# Altium PCB pcb_v1.PcbDoc (part 4 of 5)
Units mil, origin at the board's own origin, x right, y up, seen from the top; angles counter-clockwise.
Board outline 2527.56 x 5177.17 mil, 4 copper layers (L1 SIG, L2 SIG, L3 SIG, L4 SIG), stack 61.583 mil thick; 290 components, 207 nets, 1103 pads, 2427 vias.
Unrouted connection lines stored in the file: 255.
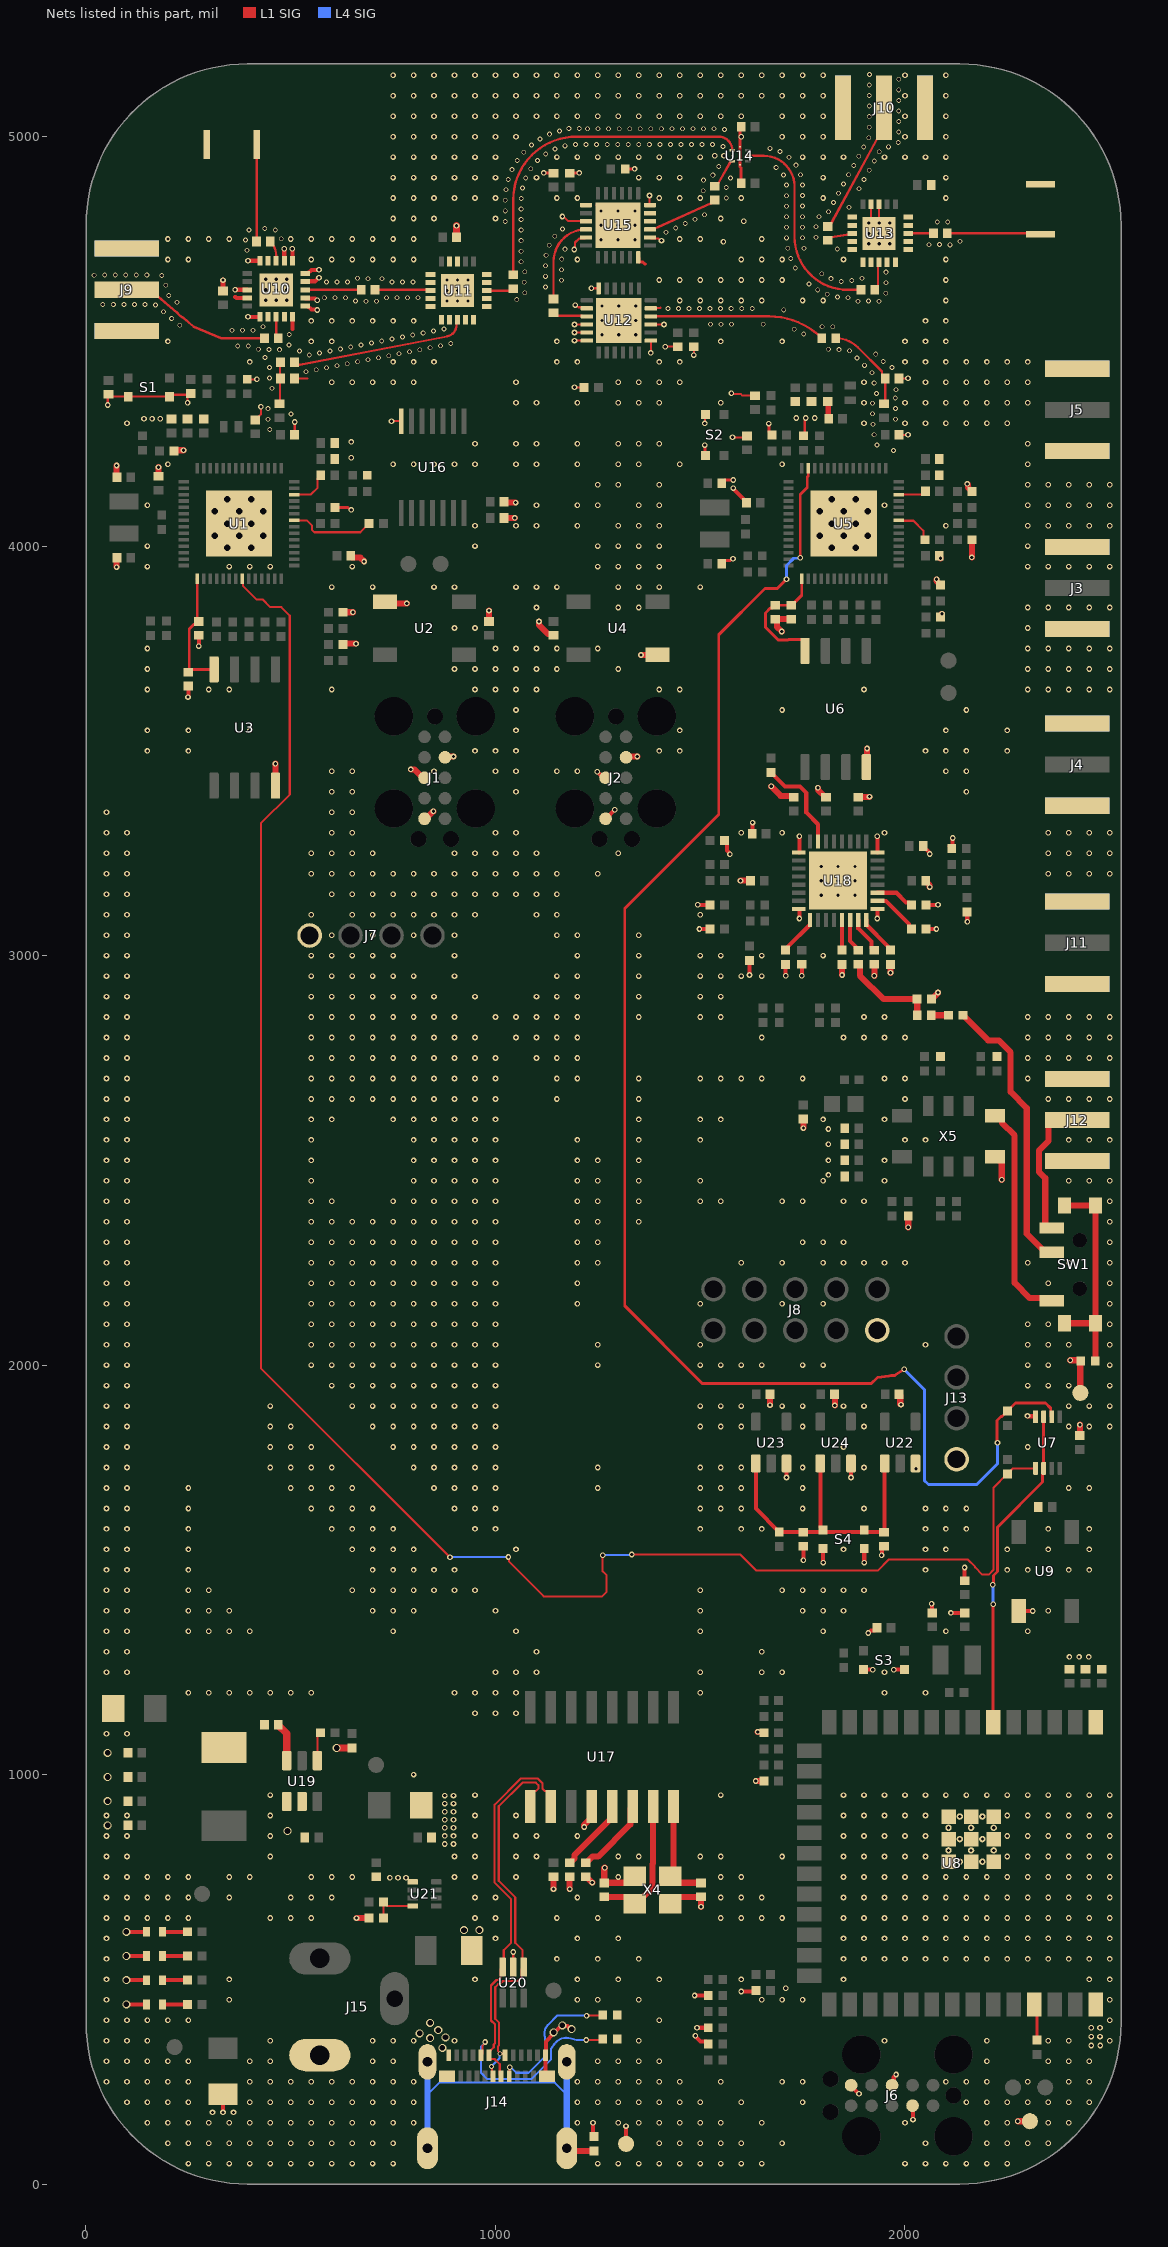
[diagram p6: the nets of this part, all layers, seen from the top]

## Via types
v1: diameter 13.78, hole 7.87, L1 SIG to L4 SIG, tented both sides, 2106 vias
v2: diameter 11.81, hole 7.87, L1 SIG to L4 SIG, 294 vias
v3: diameter 19.68, hole 13.78, L1 SIG to L4 SIG, tented both sides, 21 vias
v4: diameter 200, hole 122, L1 SIG to L4 SIG, 4 vias
v5: diameter 11.81, hole 7.87, L1 SIG to L4 SIG, tented both sides, 2 vias

## Nets (pads, with @x,y where several pads share a name; then routed paths per layer and width w, separated by ;. In a path a pad name is that pad's centre, name@x,y a point inside that pad or via, vN(x,y) a via of type N, cw(c..) or ccw(c..) an arc to the next point about the centre after c; other vN are vias at no path point) (continued)
GND: C1.1 C2.1 C3.1 C4.1 C5.1 C6.1 C7.1 C8.1 C9.1 C10.1 C11.1 C12.1 C13.1 C15.1 C16.1 C17.1 C18.1 C19.1 C20.1 C21.1 C22.1 C23.1 C24.1 C25.1 C26.1 C27.1 C28.1 C29.1 C31.1 C32.1 C33.1 C34.1 C35.1 C36.1 C37.1 C38.1 C39.1 C40.1 C41.1 C42.1 C43.1 C47.1 C48.1 C51.1 C53.1 C54.1 C56.1 C57.1 C61.1 C62.1 C63.1 C64.1 C66.1 C67.1 C68.2 C69.1 C70.2 C71.2 C72.1 C73.1 C74.1 C75.1 C76.1 C77.1 C78.1 C79.1 C80.1 C81.1 C82.1 C83.1 C84.1 C85.1 C88.2 C89.1 C90.1 C91.1 C93.1 C94.1 C95.1 C96.1 C97.1 C98.1 C99.1 C100.1 C101.1 C102.1 C103.1 D1.A D2.A J1.3 J1.5 J1.9 J2.3 J2.5 J2.9 J3.2 J3.3 J3.4 J3.5 J4.2 J4.3 J4.4 J4.5 J5.2 J5.3 J5.4 J5.5 J6.3 J6.5 J6.9 J7.1 J8.9 J9.2 J9.3 J9.4 J9.5 J10.2 J10.3 J10.4 J10.5 J11.2 J11.3 J11.4 J11.5 J12.2 J12.3 J12.4 J12.5 J13.4 J14.A1 J14.A12 J14.B1 J14.B12 J15.2 LED1.2 LED2.2 LED3.2 LED4.2 R13.1 R14.1 R19.1 R20.1 R21.1 R22.1 R35.1 R36.1 R41.1 R42.1 R43.1 R44.1 R53.1 R54.1 R60.1 R61.1 R62.1 R63.1 R64.1 R65.1 R69.1 R70.1 R71.1 R76.1 R78.2 R82.1 R83.1 R84.1 R85.1 R89.1 R90.1 R91.1 R93.1 R95.1 R96.1 R97.1 R100.1 R101.1 R103.2 R104.1 R106.2 S1.2 S1.4 S2.2 S2.4 S3.2 S3.4 S4.2 S4.4 TP7.1 TP8.1 TP9.1 U1.57 U2.3 U3.4 U4.3 U5.57 U6.4 U7.4 U8.1 U8.40 U8.41_1 U8.41_2 U8.41_3 U8.41_4 U8.41_5 U8.41_6 U8.41_7 U8.41_8 U8.41_9 U9.3 U10.1 U10.2 U10.4 U10.5 U10.6 U10.7 U10.9 U10.10 U10.11 U10.12 U10.14 U10.15 U10.18 U10.19 U10.21 U11.1 U11.2 U11.4 U11.5 U11.6 U11.7 U11.9 U11.10 U11.11 U11.12 U11.14 U11.15 U11.18 U11.19 U11.21 U12.1 U12.3 U12.5 U12.12 U12.14 U12.16 U12.17 U12.18 U12.25 U13.1 U13.2 U13.4 U13.5 U13.6 U13.7 U13.9 U13.10 U13.11 U13.12 U13.14 U13.15 U13.18 U13.19 U13.21 U14.2 U15.1 U15.3 U15.5 U15.12 U15.14 U15.16 U15.17 U15.18 U15.25 U16.7 U17.12 U18.1 U18.8 U18.17 U18.24 U18.33 U19.1 U20.2 U21.1 U22.3 U23.3 U24.3 X4.2 X4.4 X5.5 | length 5911.5
  L1 SIG w5: v1(53.15,4344.49) 53.15,4369.13 C13.1@54.89,4370.87 ; C13.1@61.97,4364.96 S1.4@203.51,4364.96 208.25,4369.7 C11.1@252.78,4369.7 ; v1(248.17,4350.39) 248.17,4365.1 C11.1@255.91,4372.83 ; R21.1@393.7,4407.48 v1(417.32,4407.48) ; C10.1@413.39,4308.27 414.57,4308.27 422.7,4316.4 422.7,4317.58 427.17,4322.05 v1(427.17,4340.55) ; C47.1@509.06,4271.65 509.84,4272.44 v1(509.84,4303.15) ; C48.1@509.06,4409.45 541.34,4409.45 ; v1(746.06,4305.12) U16.7@769.68,4305.12 ; v1(1163.39,4805.12) 1165.76,4805.12 1177.44,4793.44 1220.93,4793.44 U15.3@1221.06,4793.31 ; v1(1192.56,4724.26) 1194.24,4725.94 1194.24,4741.43 1204.13,4751.32 1218.44,4751.32 U15.5@1221.06,4753.94 ; v1(1192.91,4387.8) R64.1@1216.54,4387.8 ; v1(1192.91,4501.97) U12.18@1223.03,4501.97 ; v1(1192.91,4521.65) U12.17@1223.03,4521.65 ; v1(1192.91,4541.24) U12.16@1219.77,4541.34 ; v1(1194.88,4588.58) 1197.26,4588.58 1202.51,4583.33 1220.41,4583.33 U12.14@1223.03,4580.71 ; U12.16@1219.8,4541.34 U12.16@1223.03,4541.34 ; U15.25@1246.59,4832.68 1257.87,4821.4 v1(1257.87,4818.46) ; v1(1299.21,4783.46) U15.25@1309.06,4793.31 ; v1(1340.55,4818.46) U15.25@1346.02,4812.99 ; v1(1375.98,4856.3) 1375.98,4834.06 U15.18@1377.36,4832.68 ; U15.14@1377.36,4753.94 1379.98,4751.32 1397.88,4751.32 1403.14,4746.06 v1(1405.51,4746.06) ; U15.16@1377.36,4793.31 U15.16@1380.59,4793.31 ; U15.17@1377.36,4812.99 U15.17@1387.2,4812.99 ; v1(1379.33,4471.85) U12.1@1379.33,4501.97 ; U12.3@1379.33,4541.34 1391.79,4542.76 1391.79,4541.21 1411.27,4541.21 v1(1411.41,4541.07) ; U12.5@1379.33,4580.71 1391.79,4580.8 1391.79,4581.51 1402.51,4581.51 1403.31,4582.32 ; v1(1414.76,4487.01) C53.1@1444.88,4487.01 ; v1(1484.25,4466.54) C54.1@1484.25,4487.01 ; v1@1511.81,4299.21 1511.64,4299.38 1511.64,4320.89 S2.2@1512.6,4321.85 ; v1(1576.08,4373.46) 1577.76,4371.78 1598.9,4371.78 1602.97,4367.72 1633.46,4367.72 C28.1@1633.86,4367.32 ; v1(1578.91,4265.77) 1611.04,4265.77 C29.1@1614.17,4268.9 ; v1@1667.32,4299.21 v1@1667.87,4298.67 ; R43.1@1667.87,4278.98 R43.1@1675.2,4271.65 ; R41.1@1751.97,4269.69 1755.3,4273.01 1755.3,4308.04 1757.87,4310.62 v1(1757.87,4312.99) ; v1(1911.42,4789.38) 1917.32,4795.28 U13.19@1917.32,4834.66 ; v1(1937.01,4789.38) U13.18@1937.01,4834.66 ; C56.1@1985.43,4271.65 1985.6,4271.82 2007.7,4271.82 v1@2007.87,4271.65 ; C57.1@1985.43,4409.45 1985.6,4409.62 2007.7,4409.62 v1@2007.87,4409.45
  L1 SIG w7: U20.2@1043.31,529.92 v1(1043.31,566.93) ; v1(1118.11,4911.42) 1140.94,4911.42 C63.1@1141.73,4910.63 ; C64.1@1181.1,4910.63 1181.89,4911.42 v1(1204.72,4911.42) ; v1(1234.25,4629.92) 1251.38,4629.92 U12.12@1251.97,4629.33 ; R65.1@1316.93,4921.26 v1(1339.76,4921.26) ; U15.12@1348.43,4705.31 1350.04,4703.7 1350.04,4693.85 1359.72,4693.85 1364.31,4689.27 1366.14,4689.27 ; v1@1511.81,4246.06 1511.81,4222.24 S2.4@1512.6,4221.46 ; C32.1@1552.36,3956.69 1552.36,3957.87 1559.49,3965 1574.18,3965 1578.27,3969.1 v1(1580.11,3969.1) ; C31.1@1552.36,4153.54 1552.36,4154.29 1559.49,4161.42 v1(1580.71,4161.42) ; C62.1@1600,4886.42 1600,4922.73 1597.24,4925.48 U14.2@1597.24,4931.5 U14.2@1597.24,4975.2 1597.24,5021.46 C61.1@1600,5024.21 ; R43.1@1667.87,4278.98 v1@1667.87,4298.67
  L1 SIG w7.5: R22.1@608.27,4094.49 639.88,4094.49 645.94,4088.43 v1(647.64,4088.43)
  L1 SIG w10: v3(98.43,438.98) LED1.2@147.82,438.98 ; v3(98.43,498.03) LED2.2@147.82,498.03 ; v3(98.43,557.09) LED3.2@147.82,557.09 ; v3(98.43,616.14) LED4.2@147.82,616.14 ; v1@250,3631.89 C6.1@250,3658.27 ; v1(275.59,3755.91) C5.1@275.59,3782.28 ; v1(334.65,175.2) D2.A@334.65,219.29 ; 364.17,4608.5 365.2,4608.5 367.4,4606.3 U10.19@393.7,4606.3 ; v1(364.17,4625.99) U10.18@393.7,4625.99 ; v1(395.66,4559.99) U10.1@425.19,4559.99 ; v1(395.66,4696.86) U10.15@425.19,4696.86 ; U10.21@444.88,4606.3 v1(464.57,4625.99) ; U10.21@444.88,4645.68 v1(464.57,4625.99) ; U10.21@484.26,4606.3 v1(464.57,4625.99) ; U10.12@484.26,4696.86 v1(484.26,4726.38) ; 503.95,4530.46 U10.5@503.95,4559.99 ; U10.11@503.95,4696.86 v1(503.95,4726.38) ; U10.6@535.43,4586.61 541.14,4586.61 550.26,4577.49 564.24,4577.49 v1(564.96,4576.77) ; U10.7@535.43,4606.3 536.54,4605.2 559.13,4605.2 563.94,4600.39 v1(564.96,4600.39) ; U10.9@535.43,4645.68 536.54,4646.78 559.14,4646.78 567.87,4655.51 v1(568.9,4655.51) ; U10.10@535.43,4665.37 541.14,4665.37 550.25,4674.47 568.17,4674.47 v1(568.9,4675.2) ; J14.B1@1125.98,263.58 1122.05,267.52 J14.A12@1122.05,314.76 1122.95,315.67 1122.95,348.68 1142.17,367.9 v3(1142.17,370.52) 1144.14,370.52 1161.41,387.8 v3(1163.39,387.8) 1165.24,385.94 1175.73,385.94 1181.27,380.4 1184.12,380.4 v3(1185.97,378.55) ; v1(1238.19,149.61) 1238.19,118.11 R104.1@1240.16,116.14 ; v1(1248.65,3448.82) 1263.21,3434.25 J2.3@1268.9,3434.25 ; J2.5@1268.9,3334.25 1269.29,3334.25 v1(1291.34,3356.3) ; TP7.1@1318.9,98.43 v1(1318.9,141.73) ; v1(1486.22,460.63) R60.1@1519.69,460.63 ; v1(1488.19,362.5) 1488.91,361.78 1488.91,360 1500.57,348.35 1513.86,348.35 R54.1@1519.69,342.52 ; v1(1492.13,381.89) R53.1@1519.69,381.89 ; v1(1494.09,3124.02) R83.1@1523.62,3124.02 ; v1(1498.03,3064.96) R84.1@1523.62,3064.96 ; R82.1@1559.06,3281.5 1564.88,3275.67 1564.88,3256.45 1572.51,3248.82 v1(1572.51,3247.8) ; v1(1580.71,4141.73) 1581.43,4141.01 1581.43,4139.04 1612.99,4107.48 C18.1@1612.99,4106.3 ; v1(1600.39,470.47) 1633.86,470.47 R63.1@1635.83,472.44 ; v1@1620.08,2952.76 R85.1@1620.08,2988.19 ; C77.1@1626.77,3297.24 1627.95,3298.43 v1(1627.95,3324.8) ; v1(1708.66,2950.79) R71.1@1708.66,2978.35 ; v1(1710.63,1725.59) U23.3@1710.63,1759.84 ; U18.8@1740.75,3114.17 1742.01,3114.17 1742.13,3114.06 v1(1742.13,3090.55) ; U18.1@1740.75,3251.97 1742.01,3251.97 1742.13,3252.09 v1(1742.13,3291.57) ; v1(1748.03,2950.79) C73.1@1748.03,2979.13 ; v1(1751.97,1523.62) C102.1@1751.97,1557.87 ; v1(1800.2,1517.72) S4.2@1800.2,1551.97 ; v1(1868.11,1725.59) U24.3@1868.11,1759.84 ; J6.5@1868.5,241.54 1868.5,239.76 v1(1887.8,220.47) ; S3.2@1898.62,1256.69 1899.02,1256.3 1920.87,1256.3 v1(1921.26,1255.91) ; v1(1900.59,1517.72) S4.4@1900.59,1551.97 ; v1(1910.16,1345.74) 1911.19,1345.74 1916.9,1351.46 1926.26,1351.46 1931.89,1357.09 C41.1@1931.89,1358.27 ; v1(1932.48,3090.67) U18.17@1932.48,3114.17 ; U18.24@1932.48,3251.97 v1(1932.48,3291.57) ; v1(1942.91,1535.43) 1943.64,1536.16 1943.64,1552.69 C103.1@1948.82,1557.87 ; J6.3@1968.5,241.54 1972.52,245.55 1972.52,260.87 1978.35,266.69 v1(1978.35,267.72) ; v1(1972.44,1255.91) 1972.83,1256.3 1998.62,1256.3 S3.4@1999.02,1256.69 ; J6.9@2018.5,191.54 2019.68,190.35 v1(2019.68,157.48) ; U22.3@2025.59,1759.84 2026.84,1758.6 v1(2026.84,1747.2) ; C84.1@2044.49,3267.72 2044.49,3266.54 2059.59,3251.43 2059.59,3248.75 v1(2060.32,3248.03) ; R93.1@2051.18,3064.96 v1(2076.77,3064.96) ; R91.1@2051.18,3124.02 v1(2080.71,3124.02) ; v1(2064.96,1417.32) 2065.68,1416.6 2065.68,1395.34 C39.1@2066.93,1394.09 ; v1(2112.2,1394.88) C38.1@2146.46,1394.88 ; R89.1@2114.17,3261.81 2108.84,3267.14 2115.62,3267.14 2116.12,3267.64 2116.12,3286.68 v1(2116.85,3287.4) ; C40.1@2145.67,1471.65 v1(2145.67,1505.91) ; R90.1@2151.57,3106.3 2151.97,3105.9 2151.97,3083.08 v1(2152.37,3082.68) ; U9.3@2277.56,1399.61 v1(2311.81,1399.61) ; v1(2299.21,1875.98) 2299.94,1875.26 2317.99,1875.26 2318.9,1874.36 U7.4@2318.9,1874.02
  L1 SIG w13: C42.1@334.65,4623.23 v1(334.65,4649.61) ; C25.1@1811.02,4353.15 1812.4,4351.77 1812.4,4312.4 C26.1@1813.78,4311.02
  L1 SIG w15: v1(74.8,3948.82) 74.8,3970.67 C16.1@75.59,3971.46 ; v1(74.8,4196.85) 74.8,4169.09 C15.1@75.59,4168.31 ; C2.1@177.17,4170.47 v1(177.17,4192.91) ; R19.1@214.57,4232.28 216.54,4234.25 v1(238.19,4234.25) ; v1(462.6,3468.5) 462.6,3415.35 U3.4@462.8,3415.16 ; R13.1@627.95,3759.84 629.92,3761.81 v1(659.45,3761.81) ; R14.1@627.95,3838.58 v1(651.71,3838.58) ; C1.1@646.85,3976.38 646.85,3975.2 649.98,3972.07 669.67,3972.07 v1(679.13,3962.6) ; v1(660.63,649.61) R106.2@690.94,649.61 ; U2.3@730.32,3864.17 734.25,3860.24 v1(783.46,3860.24) ; v1(793.31,3454.72) 801.97,3454.72 822.44,3434.25 J1.3@826.77,3434.25 ; J1.5@826.77,3334.25 830.32,3334.25 v1(848.43,3352.36) ; J1.9@876.77,3484.25 878.74,3486.22 v1(897.38,3486.22) ; C12.1@984.25,3816.14 v1(984.25,3842.52) ; C67.1@1020.87,4068.9 v1(1047.24,4068.9) ; C66.1@1020.87,4108.27 1022.83,4106.3 v1(1049.21,4106.3) ; v1(1106.3,3815.94) 1106.3,3807.39 1128.28,3785.41 1138.6,3785.41 C27.1@1141.73,3782.28 ; v1(1141.73,720.47) C72.1@1141.73,750.79 ; v1(1181.1,720.47) C71.2@1181.1,750.79 ; v1(1216.54,872.05) 1216.54,877 1234.84,895.31 U17.12@1234.84,922.31 ; C70.2@1220.47,750.79 1221.65,750.79 v1(1236.22,736.22) ; v1(1266.73,772.64) 1265.75,771.65 C69.1@1265.75,735.43 1266.16,735.85 1324.43,735.85 X4.2@1340.55,751.97 ; J2.9@1318.9,3484.25 1320.87,3486.22 v1(1346.46,3486.22) ; v1(1355.31,3734.25) U4.3@1395.67,3734.25 ; X4.4@1427.17,685.04 1431.1,685.04 1447.62,701.56 1501.95,701.56 v1(1501.97,677.17) ; v1(1598.43,3183.07) C76.1@1622.83,3183.07 ; v1(1635.83,984.25) R61.1@1655.51,984.25 ; v1(1640.46,1104.33) 1653.54,1104.33 R62.1@1655.51,1102.36 ; v1(1670.47,1902.36) C100.1@1670.47,1929.13 ; v1(1673.23,3413.39) 1696.48,3390.14 1725.22,3390.14 C75.1@1728.35,3387.01 ; v1(1698.96,3791.59) 1698.46,3791.59 1687.38,3802.67 1687.38,3818.52 1684.25,3821.65 C21.1@1722.44,3821.65 ; v1(1751.97,2578.74) C78.1@1751.97,2601.18 ; v1@1787.4,3409.45 1787.4,3405.51 1805.91,3387.01 C85.1@1807.09,3387.01 ; C101.1@1827.95,1929.13 1828.74,1928.35 v1(1828.74,1901.57) ; v1(1846.46,2952.76) R70.1@1846.46,2978.35 ; C74.1@1885.83,3387.01 1886.61,3387.8 v1@1913.39,3387.8 ; U6.4@1905.71,3460.43 1907.48,3462.2 v1(1907.48,3505.91) ; v1(1925.2,2950.79) C88.2@1925.2,2979.13 ; v1(1964.57,2958.07) R69.1@1964.57,2978.35 ; C99.1@1985.43,1929.13 1988.56,1926 1988.56,1905.14 v1(1990.16,1903.54) ; v1(2007.87,2336.61) R97.1@2007.87,2364.17 ; C83.1@2050.39,3183.07 2050.39,3181.89 2060.32,3171.97 v1(2060.32,3167.32) ; R76.1@2064.96,2893.7 v1@2080.71,2909.45 ; v1(2077.17,3918.9) 2077.38,3918.68 2077.38,3914.74 R36.1@2086.61,3905.51 ; C17.1@2083.86,3976.38 2083.86,3975.2 2086.87,3972.18 v1(2086.87,3970.57) ; R35.1@2086.61,3826.77 2089.94,3830.1 2089.94,3834.33 v1(2090.25,3834.65) ; v1(2152.27,4152.06) 2154.15,4150.18 2154.15,4143.09 R42.1@2163.39,4133.86 ; v1(2163.27,3972.44) 2163.27,4015.63 R44.1@2163.39,4015.75 ; X5.5@2219.49,2509.06 2228.72,2499.82 2236.22,2499.82 v1(2236.22,2452.76) ; v1(2275.59,153.54) TP8.1@2305.12,153.54 ; v1(2403.54,2011.81) 2427.17,2011.81 R78.2@2429.13,2009.84 2428.15,2008.86 TP9.1@2428.15,1932.09 TP9.1@2427.17,1931.1 ; C36.1@2427.17,1827.95 v1(2427.17,1854.33)
  L1 SIG w18: v3(612.2,1064.96) R103.2@649.61,1064.96 ; C43.1@904.72,4753.94 v1(904.72,4782.62)
  other v1: 250,50 300,50 350,50 400,50 450,50 500,50 550,50 600,50 650,50 700,50 750,50 1250,50 1300,50 1350,50 1400,50 1450,50 1500,50 1550,50 1600,50 1650,50 2000,50 2050,50 2100,50 2150,50 2200,50 2250,50 200,100 250,100 300,100 350,100 400,100 450,100 500,100 550,100 600,100 650,100 700,100 750,100 1400,100 1450,100 1500,100 1550,100 1600,100 1700,100 2050,100 2200,100 2250,100 2300,100 2350,100 150,150 200,150 250,150 300,150 350,150 400,150 450,150 500,150 550,150 600,150 650,150 700,150 750,150 800,150 1200,150 1300,150 1350,150 1400,150 1450,150 1500,150 1550,150 1650,150 2000,150 2200,150 2250,150 2350,150 2400,150 309.06,175.2 360.24,175.2 100,200 150,200 200,200 250,200 400,200 450,200 500,200 550,200 600,200 650,200 700,200 750,200 800,200 1200,200 1250,200 1300,200 1350,200 1400,200 1450,200 1500,200 1600,200 1750,200 2150,200 2200,200 2250,200 2300,200 2350,200 2400,200 2450,200 50,250 100,250 150,250 200,250 250,250 400,250 450,250 500,250 550,250 600,250 650,250 700,250 750,250 800,250 1200,250 1250,250 1300,250 1350,250 1400,250 1450,250 1550,250 1700,250 1750,250 2100,250 2150,250 2200,250 2300,250 2400,250 2450,250 50,300 100,300 150,300 200,300 250,300 400,300 450,300 700,300 750,300 1250,300 1300,300 1350,300 1400,300 2200,300 2350,300 2400,300 2450,300 2454.72,338.58 2476.65,338.67 50,350 100,350 150,350 450,350 700,350 750,350 800,350 900,350 1350,350 1950,350 2200,350 2350,350 2400,350 2500,350 2454.72,360.24 2476.38,360.24 2454.72,381.89 2476.38,381.89 50,400 100,400 150,400 200,400 250,400 1400,400 2500,400 50,450 350,450 1200,450 1250,450 1350,450 1650,450 1700,450 1750,450 2500,450 1708.66,478.35 50,500 350,500 950,500 1200,500 1300,500 1400,500 1600,500 1850,500 2450,500 2500,500 50,550 1150,550 1250,550 1350,550 1850,550 1900,550 1950,550 2000,550 2050,550 2100,550 2150,550 2200,550 2250,550 2300,550 2350,550 2400,550 2450,550 2500,550 50,600 1000,600 1200,600 1300,600 1850,600 1900,600 1950,600 2000,600 2050,600 2100,600 2150,600 2200,600 2250,600 2300,600 2350,600 2400,600 2450,600 2500,600 50,650 100,650 150,650 200,650 250,650 450,650 500,650 550,650 950,650 1000,650 1150,650 1250,650 1550,650 1600,650 1650,650 1700,650 1850,650 1900,650 1950,650 2000,650 2050,650 2100,650 2150,650 2200,650 2250,650 2300,650 2350,650 2400,650 2450,650 2500,650 50,700 100,700 150,700 200,700 250,700 350,700 500,700 550,700 600,700 950,700 1000,700 1200,700 1550,700 1600,700 1650,700 1850,700 1900,700 1950,700 2000,700 2050,700 2100,700 2150,700 2200,700 2250,700 2300,700 2350,700 2400,700 2450,700 2500,700 742.13,748.03 761.81,748.03 781.5,748.03 50,750 100,750 150,750 200,750 250,750 350,750 400,750 550,750 600,750 650,750 900,750 950,750 1050,750 1300,750 1550,750 1600,750 1850,750 1900,750 1950,750 2000,750 2050,750 2100,750 2150,750 2200,750 2250,750 2300,750 2350,750 2400,750 2450,750 2500,750 50,800 100,800 450,800 900,800 950,800 1050,800 1100,800 1300,800 1350,800 1500,800 1550,800 1700,800 1850,800 1900,800 1950,800 2000,800 2050,800 2250,800 2300,800 2350,800 2400,800 2450,800 2500,800 875.98,830.71 897.64,830.71 50,850 100,850 450,850 875.98,850.39 897.64,850.39 950,850 1050,850 1100,850 1200,850 1850,850 1900,850 1950,850 2000,850 2050,850 2250,850 2300,850 2350,850 2400,850 2450,850 2500,850 875.98,870.08 897.64,870.08 875.98,889.76 897.64,889.76 50,900 100,900 450,900 950,900 1050,900 1850,900 1900,900 1950,900 2000,900 2050,900 2250,900 2300,900 2350,900 2400,900 2450,900 2500,900 875.98,909.45 897.64,909.45 875.98,929.13 897.64,929.13 875.98,948.82 897.64,948.82 450,950 950,950 1550,950 1850,950 1900,950 1950,950 2000,950 2050,950 2100,950 2150,950 2200,950 2250,950 2300,950 2350,950 2400,950 2450,950 2500,950 800,1000 50,1100 100,1100 950,1150 1000,1150 1050,1150 250,1200 300,1200 350,1200 400,1200 450,1200 500,1200 550,1200 900,1200 950,1200 1000,1200 1050,1200 1500,1200 1950,1200 2050,1200 50,1250 100,1250 1000,1250 1050,1250 1100,1250 1500,1250 1650,1250 1700,1250 1950,1250 2401.57,1287.4 2425.2,1287.4 2448.82,1287.4 50,1300 100,1300 1100,1300 1650,1300 50,1350 100,1350 250,1350 300,1350 350,1350 400,1350 750,1350 1050,1350 1500,1350 1800,1350 2100,1350 2300,1350 50,1400 100,1400 250,1400 300,1400 350,1400 700,1400 750,1400 800,1400 1000,1400 1500,1400 1750,1400 1800,1400 1850,1400 2350,1400 50,1450 100,1450 250,1450 300,1450 650,1450 700,1450 750,1450 800,1450 850,1450 900,1450 950,1450 1500,1450 1700,1450 1750,1450 1800,1450 1850,1450 1900,1450 50,1500 100,1500 250,1500 700,1500 750,1500 800,1500 850,1500 900,1500 2050,1500 2250,1500 2300,1500 2350,1500 2400,1500 2450,1500 50,1550 100,1550 250,1550 650,1550 700,1550 750,1550 800,1550 1050,1550 1850,1550 2050,1550 2100,1550 2250,1550 2350,1550 2450,1550 50,1600 100,1600 250,1600 600,1600 650,1600 700,1600 750,1600 950,1600 1000,1600 1500,1600 1600,1600 1650,1600 2050,1600 2100,1600 2150,1600 2350,1600 2450,1600 50,1650 100,1650 250,1650 550,1650 600,1650 650,1650 700,1650 900,1650 950,1650 1000,1650 1500,1650 1550,1650 1600,1650 1750,1650 1900,1650 2050,1650 2100,1650 2150,1650 50,1700 100,1700 250,1700 500,1700 550,1700 600,1700 650,1700 850,1700 900,1700 950,1700 1000,1700 1250,1700 1500,1700 1550,1700 1600,1700 1750,1700 2400,1700 2450,1700 50,1750 100,1750 450,1750 500,1750 550,1750 600,1750 800,1750 850,1750 900,1750 950,1750 1000,1750 1250,1750 1500,1750 1550,1750 1600,1750 1750,1750 1900,1750 50,1800 100,1800 450,1800 500,1800 550,1800 750,1800 800,1800 850,1800 900,1800 950,1800 1000,1800 1850,1800 2300,1800 50,1850 100,1850 450,1850 500,1850 700,1850 750,1850 800,1850 850,1850 900,1850 950,1850 1000,1850 1500,1850 1550,1850 1600,1850 1750,1850 1900,1850 2400,1850 2450,1850 2500,1850 50,1900 100,1900 450,1900 650,1900 700,1900 750,1900 800,1900 850,1900 900,1900 950,1900 1000,1900 1500,1900 1550,1900 1600,1900 1700,1900 1750,1900 1850,1900 1900,1900 2400,1900 2450,1900 2500,1900 50,1950 100,1950 600,1950 650,1950 700,1950 750,1950 800,1950 850,1950 900,1950 950,1950 1000,1950 2300,1950 2350,1950 2400,1950 2500,1950 50,2000 100,2000 550,2000 600,2000 650,2000 700,2000 750,2000 800,2000 850,2000 900,2000 950,2000 1000,2000 1250,2000 1500,2000 1550,2000 1600,2000 1650,2000 1750,2000 1800,2000 2300,2000 2350,2000 2500,2000 50,2050 100,2050 550,2050 600,2050 650,2050 700,2050 750,2050 800,2050 850,2050 900,2050 950,2050 1000,2050 1250,2050 1500,2050 2050,2050 2300,2050 2350,2050 2400,2050 2500,2050 50,2100 100,2100 550,2100 600,2100 650,2100 700,2100 750,2100 800,2100 850,2100 900,2100 950,2100 1000,2100 2300,2100 2350,2100 2500,2100 50,2150 100,2150 550,2150 600,2150 650,2150 700,2150 750,2150 800,2150 850,2150 900,2150 950,2150 1000,2150 1200,2150 1500,2150 1700,2150 1800,2150 2500,2150 50,2200 100,2200 550,2200 600,2200 650,2200 700,2200 750,2200 800,2200 850,2200 900,2200 950,2200 1000,2200 1200,2200 2350,2200 2500,2200 50,2250 100,2250 550,2250 600,2250 650,2250 700,2250 750,2250 800,2250 850,2250 900,2250 950,2250 1000,2250 1200,2250 1250,2250 1600,2250 1700,2250 1800,2250 1850,2250 1900,2250 1950,2250 2000,2250 2300,2250 2400,2250 2500,2250 50,2300 100,2300 550,2300 600,2300 650,2300 700,2300 750,2300 800,2300 850,2300 900,2300 950,2300 1000,2300 1200,2300 1250,2300 1750,2300 1800,2300 1850,2300 2500,2300 50,2350 100,2350 550,2350 600,2350 650,2350 700,2350 750,2350 800,2350 850,2350 900,2350 950,2350 1000,2350 1200,2350 1250,2350 1350,2350 2500,2350 50,2400 100,2400 550,2400 600,2400 750,2400 800,2400 850,2400 900,2400 950,2400 1000,2400 1200,2400 1250,2400 1350,2400 1500,2400 1550,2400 1700,2400 1750,2400 1850,2400 1900,2400 2500,2400 50,2450 100,2450 550,2450 800,2450 850,2450 900,2450 950,2450 1000,2450 1200,2450 1250,2450 1350,2450 1500,2450 1800,2450 1950,2450 2400,2450 2450,2450 2500,2450 1812.99,2464.57 50,2500 100,2500 550,2500 800,2500 850,2500 900,2500 950,2500 1000,2500 1200,2500 1250,2500 1350,2500 1812.99,2500 1950,2500 1812.99,2539.37 50,2550 100,2550 550,2550 800,2550 850,2550 900,2550 950,2550 1000,2550 1200,2550 1350,2550 1500,2550 2000,2550 2050,2550 2400,2550 2450,2550 2500,2550 1812.99,2576.77 50,2600 100,2600 550,2600 600,2600 750,2600 800,2600 850,2600 900,2600 950,2600 1000,2600 1350,2600 1500,2600 1550,2600 1800,2600 1950,2600 50,2650 100,2650 550,2650 600,2650 650,2650 700,2650 750,2650 800,2650 850,2650 900,2650 950,2650 1000,2650 1150,2650 1350,2650 2000,2650 2350,2650 2400,2650 2450,2650 2500,2650 50,2700 100,2700 550,2700 600,2700 650,2700 700,2700 750,2700 800,2700 850,2700 900,2700 950,2700 1000,2700 1150,2700 1200,2700 1350,2700 1500,2700 1550,2700 1600,2700 1650,2700 1750,2700 1950,2700 2000,2700 2300,2700 50,2750 100,2750 550,2750 600,2750 650,2750 700,2750 750,2750 800,2750 850,2750 900,2750 950,2750 1000,2750 1100,2750 1150,2750 1200,2750 2300,2750 2350,2750 2400,2750 2450,2750 2500,2750 50,2800 100,2800 550,2800 600,2800 650,2800 700,2800 750,2800 800,2800 850,2800 900,2800 950,2800 1050,2800 1100,2800 1150,2800 1200,2800 1650,2800 1850,2800 1900,2800 1950,2800 2000,2800 2300,2800 2350,2800 2400,2800 2450,2800 2500,2800 50,2850 100,2850 550,2850 600,2850 650,2850 700,2850 750,2850 800,2850 850,2850 900,2850 1000,2850 1050,2850 1100,2850 1150,2850 1200,2850 1350,2850 1500,2850 1550,2850 1900,2850 1950,2850 2300,2850 2350,2850 2400,2850 2450,2850 2500,2850 50,2900 100,2900 550,2900 600,2900 650,2900 700,2900 750,2900 800,2900 850,2900 950,2900 1100,2900 1150,2900 1200,2900 1350,2900 1500,2900 1550,2900 2080.71,2909.96 50,2950 100,2950 550,2950 600,2950 650,2950 700,2950 750,2950 800,2950 900,2950 1150,2950 1200,2950 1350,2950 1500,2950 1550,2950 1600,2950 1650,2950 1620.4,2952.86 50,3000 100,3000 550,3000 600,3000 650,3000 700,3000 750,3000 900,3000 1200,3000 1350,3000 1500,3000 1550,3000 1650,3000 1800,3000 50,3050 100,3050 600,3050 700,3050 800,3050 900,3050 1150,3050 1200,3050 1350,3050 50,3100 100,3100 550,3100 650,3100 700,3100 750,3100 800,3100 850,3100 900,3100 950,3100 1100,3100 1150,3100 1500,3100 1795.28,3147.64 1836.61,3147.64 1877.95,3147.64 50,3150 100,3150 600,3150 650,3150 700,3150 750,3150 800,3150 850,3150 900,3150 950,3150 1000,3150 1050,3150 1100,3150 1150,3150 1795.28,3182.64 1836.61,3182.64 1877.95,3182.64 50,3200 100,3200 550,3200 600,3200 650,3200 700,3200 750,3200 800,3200 850,3200 900,3200 950,3200 1000,3200 1050,3200 1100,3200 1150,3200 1250,3200 2350,3200 2400,3200 2450,3200 2500,3200 1795.28,3217.64 1836.61,3217.64 1877.95,3217.64 50,3250 100,3250 550,3250 600,3250 650,3250 700,3250 900,3250 950,3250 1000,3250 1050,3250 1100,3250 1300,3250 2350,3250 2400,3250 2450,3250 2500,3250 50,3300 100,3300 600,3300 650,3300 1000,3300 1050,3300 1600,3300 1700,3300 1950,3300 2350,3300 2400,3300 2450,3300 2500,3300 50,3350 600,3350 650,3350 1913.39,3388.31 600,3400 650,3400 1050,3400 2150,3400 1787.4,3409.96 600,3450 650,3450 850,3450 1000,3450 1050,3450 1150,3450 1200,3450 2100,3450 2150,3450 150,3500 250,3500 950,3500 1000,3500 1050,3500 1400,3500 1450,3500 2050,3500 2100,3500 2150,3500 2250,3500 150,3550 250,3550 400,3550 1050,3550 1450,3550 2100,3550 2250,3550 1050,3600 1700,3600 2150,3600 249.22,3631.41 150,3650 300,3650 350,3650 600,3650 950,3650 1000,3650 1050,3650 1100,3650 1400,3650 1450,3650 1900,3650 2300,3650 2350,3650 2400,3650 2450,3650 2500,3650 150,3700 900,3700 950,3700 1000,3700 1050,3700 1100,3700 1150,3700 1300,3700 2300,3700 2350,3700 2400,3700 2450,3700 2500,3700 150,3750 1000,3750 1050,3750 1100,3750 1150,3750 1250,3750 2300,3750 2350,3750 2400,3750 2450,3750 2500,3750 900,3800 950,3800 2300,3800 1100,3850 1300,3850 1350,3850 2300,3850 2350,3850 2400,3850 2450,3850 2500,3850 600,3900 700,3900 850,3900 900,3900 1050,3900 1100,3900 1150,3900 1300,3900 1350,3900 1400,3900 1500,3900 150,3950 350,3950 400,3950 450,3950 650,3950 1250,3950 1300,3950 1350,3950 1400,3950 2300,3950 2350,3950 2400,3950 2450,3950 2500,3950 150,4000 950,4000 1250,4000 1300,4000 1350,4000 1400,4000 2300,4000 950,4050 1050,4050 1100,4050 1200,4050 1300,4050 1350,4050 1400,4050 2100,4050 2300,4050 2350,4050 2400,4050 2450,4050 2500,4050 150,4100 1100,4100 1200,4100 1250,4100 1350,4100 1400,4100 1950,4100 2300,4100 2350,4100 2400,4100 2450,4100 2500,4100 1250,4150 1300,4150 1400,4150 2300,4150 2350,4150 2400,4150 2450,4150 2500,4150 200,4200 750,4200 800,4200 850,4200 900,4200 950,4200 1050,4200 1100,4200 1200,4200 1300,4200 1350,4200 1450,4200 1700,4200 2300,4200 647.64,4215.82 1511.21,4246.66 950,4250 1050,4250 1100,4250 1200,4250 1300,4250 1350,4250 1400,4250 2300,4250 647.64,4254.6 2007.27,4272.25 1667.27,4299.27 100,4300 1511.21,4299.81 1900,4300 2000,4300 2050,4300 2100,4300 2150,4300 2200,4300 2250,4300 141.73,4311.02 161.42,4311.02 181.1,4311.02 1734.25,4312.99 1779.53,4312.99 1050,4350 1100,4350 1200,4350 1300,4350 1350,4350 1400,4350 1550,4350 1900,4350 2000,4350 2050,4350 2100,4350 2150,4350 2200,4350 2250,4350 2300,4350 600,4400 650,4400 700,4400 750,4400 800,4400 1050,4400 1300,4400 1350,4400 1400,4400 1450,4400 1900,4400 2050,4400 2100,4400 2150,4400 2200,4400 2250,4400 2300,4400 2007.27,4410.05 400,4450 750,4450 800,4450 850,4450 1150,4450 1200,4450 1400,4450 1450,4450 2000,4450 2050,4450 2100,4450 2150,4450 2200,4450 2250,4450 2300,4450 200,4500 550,4500 600,4500 1150,4500 1550,4500 1700,4500 2000,4500 2050,4500 2100,4500 1259.84,4516.18 1301.18,4516.18 1342.52,4516.18 550,4550 600,4550 650,4550 700,4550 750,4550 800,4550 2050,4550 2100,4550 1259.84,4551.18 1301.18,4551.18 1342.52,4551.18 1259.84,4586.18 1301.18,4586.18 1342.52,4586.18 881.89,4598.42 907.49,4598.42 933.08,4598.42 438.98,4600.39 464.57,4600.39 490.16,4600.39 1450,4600 1500,4600 1550,4600 1600,4600 1650,4600 1750,4600 1800,4600 2100,4600 881.89,4624.02 907.49,4624.02 933.08,4624.02 438.98,4625.99 490.16,4625.99 881.89,4649.6 907.49,4649.6 933.08,4649.6 1400,4650 1450,4650 1500,4650 1550,4650 1600,4650 1650,4650 1700,4650 2100,4650 438.98,4651.57 464.57,4651.57 490.16,4651.57 200,4700 250,4700 550,4700 600,4700 650,4700 700,4700 750,4700 800,4700 1200,4700 1600,4700 1650,4700 1700,4700 1850,4700 2100,4700 1911.42,4738.19 1937.01,4738.19 1962.6,4738.19 1556.53,4743.47 1257.87,4748.46 1299.21,4748.46 1340.55,4748.03 200,4750 250,4750 300,4750 350,4750 500,4750 550,4750 600,4750 650,4750 700,4750 750,4750 800,4750 1450,4750 1500,4750 1650,4750 1911.42,4763.79 1937.01,4763.79 1962.6,4763.79 1257.87,4783.46 1340.55,4783.46 1962.6,4789.38 1606.53,4793.47 750,4800 800,4800 850,4800 1000,4800 1550,4800 1299.21,4818.46 750,4850 800,4850 850,4850 900,4850 950,4850 1000,4850 1150,4850 1200,4850 1400,4850 1450,4850 1500,4850 1600,4850 1800,4850 2100,4850 750,4900 800,4900 850,4900 900,4900 950,4900 1000,4900 1100,4900 1350,4900 1400,4900 1450,4900 1800,4900 2100,4900 750,4950 800,4950 850,4950 900,4950 950,4950 1000,4950 1150,4950 1200,4950 1250,4950 1300,4950 1350,4950 1400,4950 1450,4950 1500,4950 1750,4950 1800,4950 1850,4950 1950,4950 2000,4950 2050,4950 2100,4950 1535.24,4953.35 1557.87,4953.35 750,5000 800,5000 850,5000 900,5000 950,5000 1000,5000 1050,5000 1600,5000 1700,5000 1750,5000 1800,5000 2000,5000 2100,5000 750,5050 800,5050 850,5050 900,5050 950,5050 1000,5050 1050,5050 1100,5050 1150,5050 1200,5050 1250,5050 1300,5050 1350,5050 1400,5050 1450,5050 1500,5050 1550,5050 1600,5050 1700,5050 1750,5050 1800,5050 2000,5050 2100,5050 750,5100 800,5100 850,5100 900,5100 950,5100 1000,5100 1050,5100 1100,5100 1150,5100 1200,5100 1250,5100 1300,5100 1350,5100 1400,5100 1450,5100 1500,5100 1550,5100 1600,5100 1650,5100 1700,5100 1750,5100 1800,5100 2000,5100 2100,5100 750,5150 800,5150 850,5150 900,5150 950,5150 1000,5150 1050,5150 1100,5150 1150,5150 1200,5150 1250,5150 1300,5150 1350,5150 1400,5150 1450,5150 1500,5150 1550,5150 1600,5150 1650,5150 1700,5150 1750,5150 1800,5150 2000,5150 2100,5150